# KiCad board Wirebonder.kicad_pcb
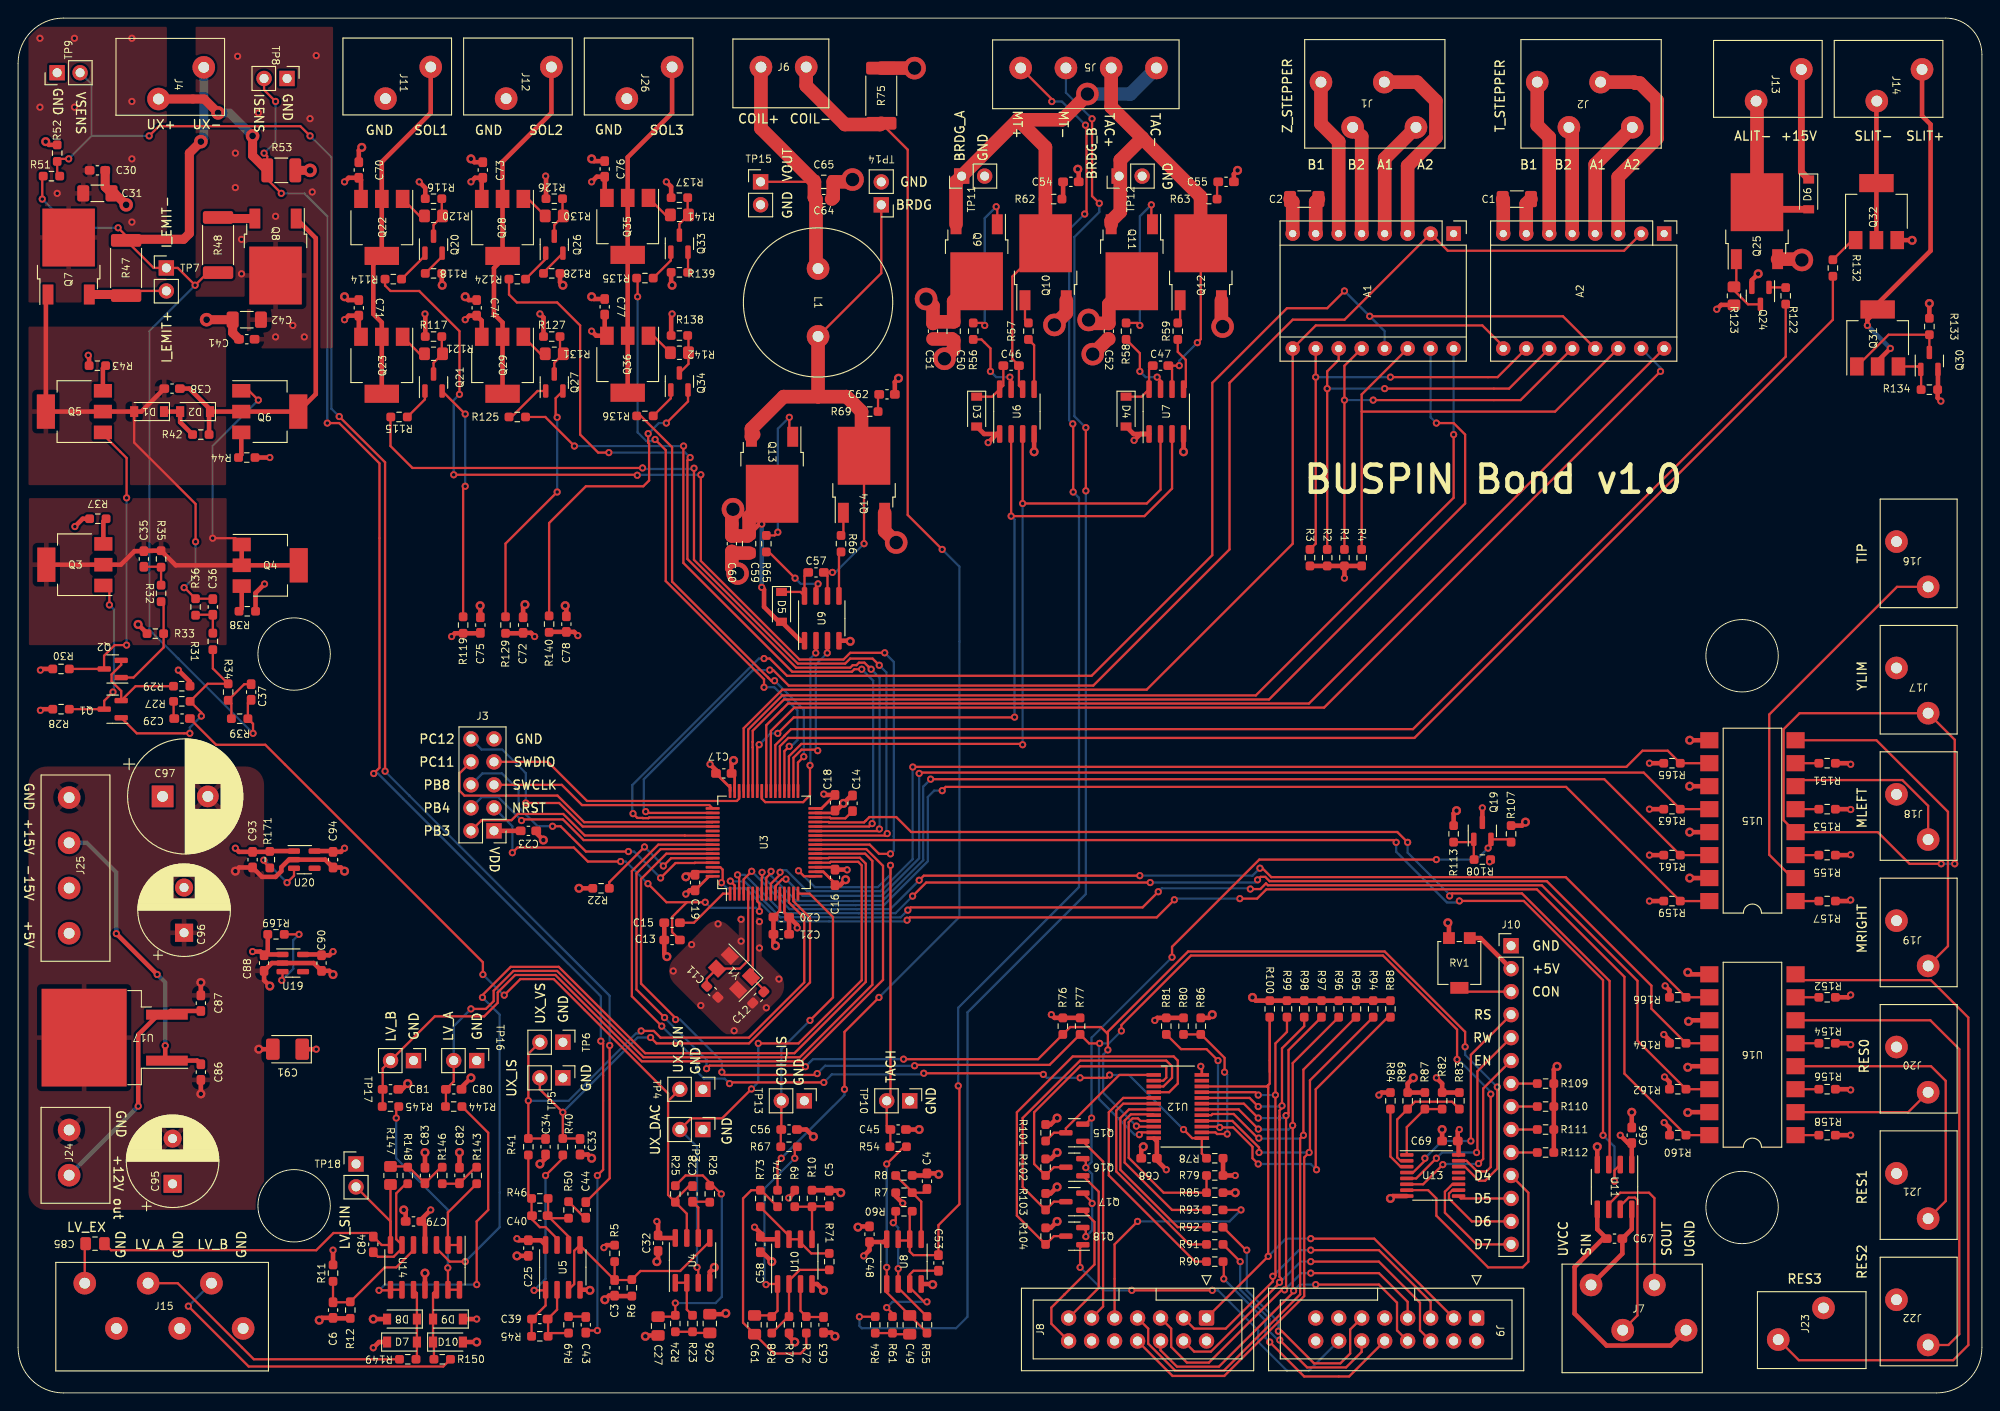
[diagram p0: board, top side]
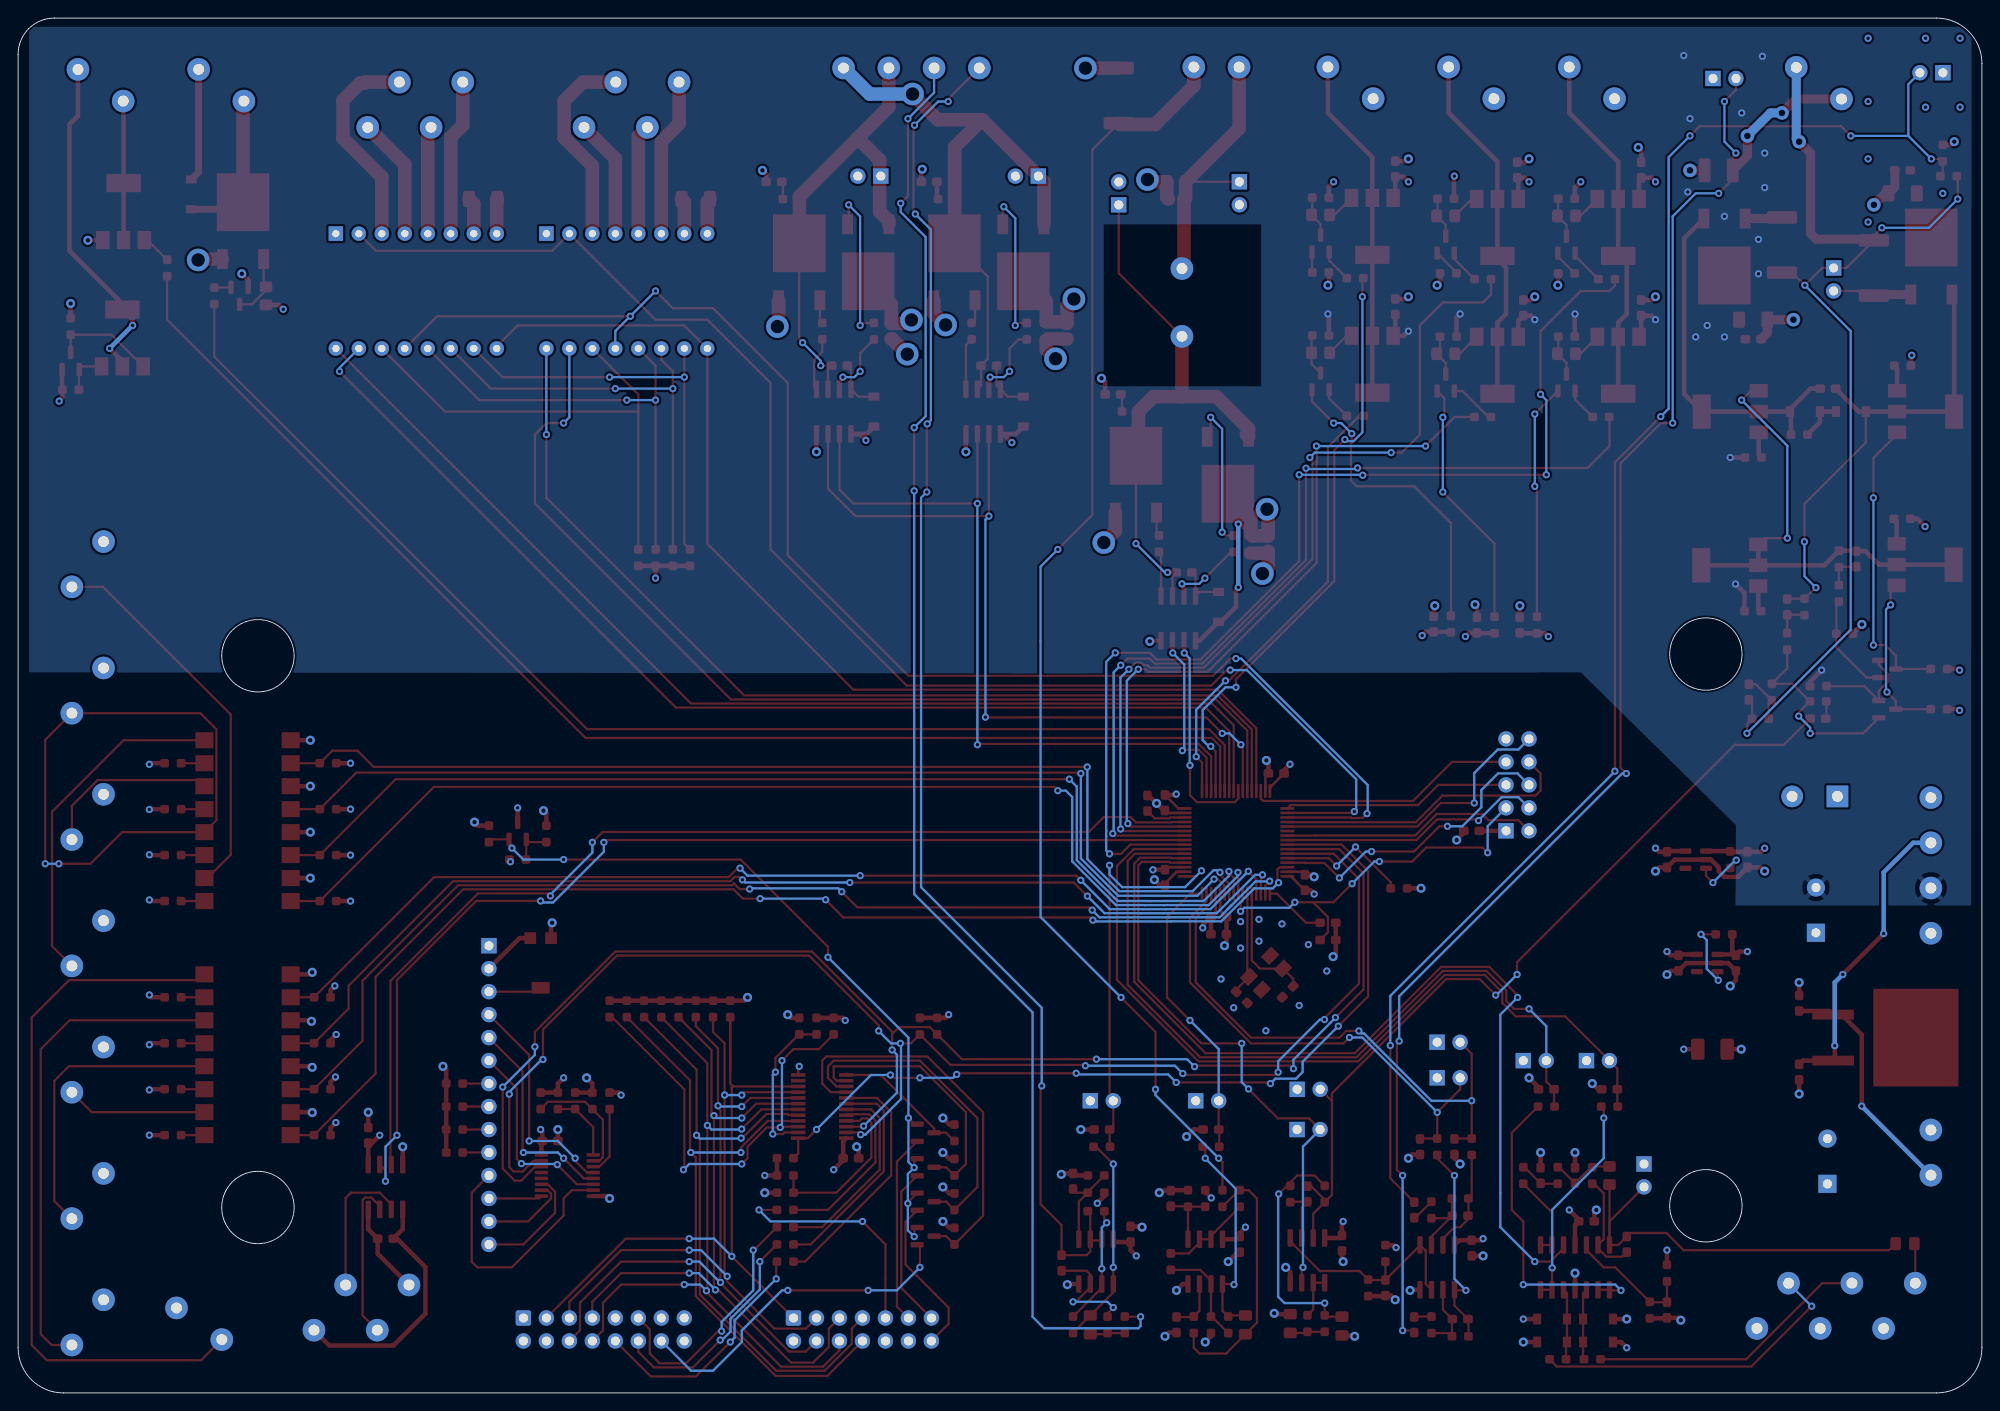
[diagram p1: board, bottom side, seen from below]

Outline 217 x 152 mm; copper layers: Top, In1.Cu (plane), In2.Cu (plane), Bottom. Coordinates in mm from the lower left corner of the outline.
Outline path: circle c30.5,81.69 r4 ; circle c30.5,20.69 r4 ; circle c190.5,81.5 r4 ; circle c190.5,20.5 r4 ; 0,147 arc(1.46,150.54) 5,152 213,152 arc(215.83,150.83) 217,148 217,5 arc(215.54,1.46) 212,0 5,0 arc(1.46,1.46) 0,5 0,147
Stack: Top 0.035mm / dielectric 1.51mm FR4 er 4.5 / In1.Cu 0.035mm / dielectric 1.51mm FR4 er 4.5 / In2.Cu 0.035mm / dielectric 1.51mm FR4 er 4.5 / Bottom 0.035mm

## Placement (name value [footprint] x y rotation side)
A1  Pololu_Breakout_DRV8825  [Pololu_Breakout-16_15.2x20.3mm]  158.62 128.17 270 top
A2  Pololu_Breakout_DRV8825  [Pololu_Breakout-16_15.2x20.3mm]  181.89 128.17 270 top
C1  10u 25V  [C_1206_3216Metric_Pad1.33x1.80mm_HandSolder]  165.61 131.99 180 top
C2  10u 25V  [C_1206_3216Metric_Pad1.33x1.80mm_HandSolder]  142.12 131.99 180 top
C3  1u  [C_0603_1608Metric_Pad1.08x0.95mm_HandSolder]  65.92 11.62 90 top
C4  1u  [C_0603_1608Metric_Pad1.08x0.95mm_HandSolder]  100.43 23.41 270 top
C5  1u  [C_0603_1608Metric_Pad1.08x0.95mm_HandSolder]  89.63 21.5 270 top
C6  1u  [C_0603_1608Metric_Pad1.08x0.95mm_HandSolder]  34.8 9.16 90 top
C11  18p  [C_0603_1608Metric_Pad1.08x0.95mm_HandSolder]  76.71 44.36 135 top
C12  18p  [C_0603_1608Metric_Pad1.08x0.95mm_HandSolder]  81.79 43.72 45 top
C13  100n  [C_0603_1608Metric_Pad1.08x0.95mm_HandSolder]  72.27 50.08 0 top
C14  4.7u  [C_0603_1608Metric_Pad1.08x0.95mm_HandSolder]  92.2 65.19 90 top
C15  1u  [C_0603_1608Metric_Pad1.08x0.95mm_HandSolder]  72.27 51.98 0 top
C16  100n  [C_0603_1608Metric_Pad1.08x0.95mm_HandSolder]  90.27 57 90 top
C17  100n  [C_0603_1608Metric_Pad1.08x0.95mm_HandSolder]  77.98 68.49 180 top
C18  100n  [C_0603_1608Metric_Pad1.08x0.95mm_HandSolder]  90.27 65.25 90 top
C19  100n  [C_0603_1608Metric_Pad1.08x0.95mm_HandSolder]  74.81 56.42 270 top
C20  1u  [C_0603_1608Metric_Pad1.08x0.95mm_HandSolder]  84.33 52.61 180 top
C21  100n  [C_0603_1608Metric_Pad1.08x0.95mm_HandSolder]  84.33 50.71 180 top
C23  100n  [C_0603_1608Metric_Pad1.08x0.95mm_HandSolder]  56.39 62.14 180 top
C25  100n  [C_0603_1608Metric_Pad1.08x0.95mm_HandSolder]  56.38 16.01 90 top
C26  6.8n %5  [C_0805_2012Metric_Pad1.18x1.45mm_HandSolder]  76.43 7.67 90 top
C27  6.8n %5  [C_0805_2012Metric_Pad1.18x1.45mm_HandSolder]  70.72 7.39 270 top
C28  680p %5  [C_0603_1608Metric_Pad1.08x0.95mm_HandSolder]  74.53 22 90 top
C29  1u 25v  [C_0603_1608Metric_Pad1.08x0.95mm_HandSolder]  18.12 74.56 180 top
C30  100n  [C_0603_1608Metric_Pad1.08x0.95mm_HandSolder]  8.77 135.16 0 top
C31  10u 25V  [C_1206_3216Metric_Pad1.33x1.80mm_HandSolder]  8.76 132.62 0 top
C32  100n  [C_0603_1608Metric_Pad1.08x0.95mm_HandSolder]  70.72 16.56 90 top
C33  10n %5 C0G  [C_0603_1608Metric_Pad1.08x0.95mm_HandSolder]  62.09 27.22 90 top
C34  10n %5 C0G  [C_0603_1608Metric_Pad1.08x0.95mm_HandSolder]  58.28 27.22 90 top
C35  12p %5  [C_0603_1608Metric_Pad1.08x0.95mm_HandSolder]  13.9 92.2 90 top
C36  12p %5  [C_0603_1608Metric_Pad1.08x0.95mm_HandSolder]  21.52 86.89 90 top
C37  12p %5  [C_0603_1608Metric_Pad1.08x0.95mm_HandSolder]  25.75 77.49 90 top
C38  100n  [C_0603_1608Metric_Pad1.08x0.95mm_HandSolder]  17.02 111.03 180 top
C39  12p %5  [C_0603_1608Metric_Pad1.08x0.95mm_HandSolder]  57.65 8.16 0 top
C40  12p %5  [C_0603_1608Metric_Pad1.08x0.95mm_HandSolder]  57.65 19.59 0 top
C41  100n  [C_0603_1608Metric_Pad1.08x0.95mm_HandSolder]  25.27 116.5 180 top
C42  10u 25V  [C_1206_3216Metric_Pad1.33x1.80mm_HandSolder]  25.27 118.66 180 top
C43  1u 25v  [C_0603_1608Metric_Pad1.08x0.95mm_HandSolder]  62.73 7.53 270 top
C44  1u 25v  [C_0603_1608Metric_Pad1.08x0.95mm_HandSolder]  62.73 20.23 90 top
C45  100n  [C_0603_1608Metric_Pad1.08x0.95mm_HandSolder]  97.25 29.12 0 top
C46  100n  [C_0603_1608Metric_Pad1.08x0.95mm_HandSolder]  109.73 113.58 0 top
C47  100n  [C_0603_1608Metric_Pad1.08x0.95mm_HandSolder]  126.24 113.58 0 top
C48  100n  [C_0603_1608Metric_Pad1.08x0.95mm_HandSolder]  94.08 17.54 270 top
C49  120n  [C_0805_2012Metric_Pad1.18x1.45mm_HandSolder]  98.52 7.53 270 top
C50  10u 25v  [C_0805_2012Metric_Pad1.18x1.45mm_HandSolder]  103.38 117.38 270 top
C51  100n  [C_0603_1608Metric_Pad1.08x0.95mm_HandSolder]  101.09 117.38 270 top
C52  100n  [C_0603_1608Metric_Pad1.08x0.95mm_HandSolder]  120.53 117.38 270 top
C53  100n  [C_0603_1608Metric_Pad1.08x0.95mm_HandSolder]  101.7 14.37 270 top
C54  1n  [C_0603_1608Metric_Pad1.08x0.95mm_HandSolder]  116.34 133.9 0 top
C55  1n  [C_0603_1608Metric_Pad1.08x0.95mm_HandSolder]  133.48 133.9 0 top
C56  100n  [C_0603_1608Metric_Pad1.08x0.95mm_HandSolder]  85.19 29.12 0 top
C57  100n  [C_0603_1608Metric_Pad1.08x0.95mm_HandSolder]  88.17 90.72 0 top
C58  100n  [C_0603_1608Metric_Pad1.08x0.95mm_HandSolder]  82.01 16.42 90 top
C59  10u 25v  [C_0805_2012Metric_Pad1.18x1.45mm_HandSolder]  80.78 93.89 270 top
C60  100n  [C_0603_1608Metric_Pad1.08x0.95mm_HandSolder]  78.87 93.89 270 top
C61  12n %5  [C_0805_2012Metric_Pad1.18x1.45mm_HandSolder]  81.38 7.53 270 top
C62  1n  [C_0603_1608Metric_Pad1.08x0.95mm_HandSolder]  96.01 110.4 0 top
C63  10n %5  [C_0603_1608Metric_Pad1.08x0.95mm_HandSolder]  89 7.53 90 top
C64  100n  [C_0603_1608Metric_Pad1.08x0.95mm_HandSolder]  89.03 131.99 0 top
C65  10u 25v  [C_0805_2012Metric_Pad1.18x1.45mm_HandSolder]  89.03 133.9 0 top
C66  100n  [C_0603_1608Metric_Pad1.08x0.95mm_HandSolder]  178.31 28.49 90 top
C67  100n  [C_0603_1608Metric_Pad1.08x0.95mm_HandSolder]  176.41 17.06 0 top
C68  100n  [C_0603_1608Metric_Pad1.08x0.95mm_HandSolder]  124.97 25.94 180 top
C69  100n  [C_0603_1608Metric_Pad1.08x0.95mm_HandSolder]  158.22 27.85 0 top
C70  100n  [C_0603_1608Metric_Pad1.08x0.95mm_HandSolder]  37.65 135.2 90 top
C71  100n  [C_0603_1608Metric_Pad1.08x0.95mm_HandSolder]  37.65 119.97 270 top
C72  100n  [C_0603_1608Metric_Pad1.08x0.95mm_HandSolder]  55.81 84.9 90 top
C73  100n  [C_0603_1608Metric_Pad1.08x0.95mm_HandSolder]  51.35 135.2 90 top
C74  100n  [C_0603_1608Metric_Pad1.08x0.95mm_HandSolder]  50.67 119.97 270 top
C75  100n  [C_0603_1608Metric_Pad1.08x0.95mm_HandSolder]  51.08 84.9 90 top
C76  100n  [C_0603_1608Metric_Pad1.08x0.95mm_HandSolder]  64.82 135.32 90 top
C77  100n  [C_0603_1608Metric_Pad1.08x0.95mm_HandSolder]  64.82 120.08 270 top
C78  100n  [C_0603_1608Metric_Pad1.08x0.95mm_HandSolder]  60.58 85 90 top
C79  100n  [C_0603_1608Metric_Pad1.08x0.95mm_HandSolder]  43.69 18.96 180 top
C80  100n  [C_0603_1608Metric_Pad1.08x0.95mm_HandSolder]  48.14 33.56 0 top
C81  100n  [C_0603_1608Metric_Pad1.08x0.95mm_HandSolder]  41.15 33.56 0 top
C82  22n %5  [C_0603_1608Metric_Pad1.08x0.95mm_HandSolder]  48.77 24.04 90 top
C83  68n %5  [C_0603_1608Metric_Pad1.08x0.95mm_HandSolder]  44.96 24.04 90 top
C84  10n %5  [C_0603_1608Metric_Pad1.08x0.95mm_HandSolder]  39.25 16.42 90 top
C85  10u 25v  [C_0805_2012Metric_Pad1.18x1.45mm_HandSolder]  8.5 16.5 180 top
C86  1u  [C_0603_1608Metric_Pad1.08x0.95mm_HandSolder]  20.2 35.47 90 top
C87  100n  [C_0603_1608Metric_Pad1.08x0.95mm_HandSolder]  20.2 43.09 90 top
C88  1u  [C_0603_1608Metric_Pad1.08x0.95mm_HandSolder]  27.18 47.53 90 top
C90  1u  [C_0603_1608Metric_Pad1.08x0.95mm_HandSolder]  33.53 47.53 90 top
C91  4.7u Tantalum  [CP_EIA-3528-21_Kemet-B_Pad1.50x2.35mm_HandSolder]  29.77 38 180 top
C93  1u  [C_0603_1608Metric_Pad1.08x0.95mm_HandSolder]  25.91 58.95 90 top
C94  1u  [C_0603_1608Metric_Pad1.08x0.95mm_HandSolder]  34.8 58.95 90 top
C95  1000u 16v  [CP_Radial_D10.0mm_P5.00mm]  17.07 23.11 90 top
C96  1000u 25v  [CP_Radial_D10.0mm_P5.00mm]  18.34 50.87 90 top
C97  2200u 25v  [CP_Radial_D12.5mm_P5.00mm]  15.97 65.95 0 top
D1  1N4148  [D_SOD-123]  14.48 108.5 180 top
D2  1N4148  [D_SOD-123]  19.55 108.5 180 top
D3  1N4148W  [D_SOD-123]  105.92 108.5 270 top
D4  1N4148W  [D_SOD-123]  122.43 108.5 270 top
D5  1N4148W  [D_SOD-123]  84.36 86.91 270 top
D6  1N4148  [D_SOD-123]  197.86 132.51 270 top
D7  1N4148  [D_SOD-123]  42.42 5.62 0 top
D8  1N4148  [D_SOD-123]  42.42 8.16 180 top
D9  1N4148  [D_SOD-123]  47.5 8.16 180 top
D10  1N4148  [D_SOD-123]  47.5 5.62 0 top
J1  -  [DG250-3-5-04P-11-00AH]  149.22 142.42 180 top
J2  -  [DG250-3-5-04P-11-00AH]  173.12 142.42 180 top
J3  Conn_02x05_Odd_Even  [PinHeader_2x05_P2.54mm_Vertical]  52.58 62.14 180 top
J4  -  [DG250-3-5-02P-11-00AH]  17.52 144.81 270 top
J5  DG301-5-0-04P-12-00AH  [DG301-5.0-04P-12-00AH]  117.99 146.59 180 top
J6  DG301-5-0-02P-12-00AH  [DG301-5.0-02P-12-00AH]  84.58 146.59 0 top
J7  -  [DG250-3-5-04P-11-00AH]  179.06 9.44 0 top
J8  Conn_02x07_Odd_Even  [IDC-Header_2x07_P2.54mm_Vertical]  131.32 8.28 270 top
J9  Conn_02x08_Odd_Even  [IDC-Header_2x08_P2.54mm_Vertical]  161.16 8.28 270 top
J10  DS1021-1X14SF11-B  [PinHeader_1x14_P2.54mm_Vertical]  164.97 49.44 0 top
J11  -  [DG250-3-5-02P-11-00AH]  42.59 144.84 270 top
J12  -  [DG250-3-5-02P-11-00AH]  55.93 144.84 270 top
J13  -  [DG250-3-5-02P-11-00AH]  194.05 144.57 270 top
J14  -  [DG250-3-5-02P-11-00AH]  207.38 144.57 270 top
J15  -  [DG250-3-5-06P-11-00AH]  16.12 9.63 0 top
J16  -  [DG250-3-5-02P-11-00AH]  209.31 92.12 180 top
J17  -  [DG250-3-5-02P-11-00AH]  209.31 78.15 180 top
J18  -  [DG250-3-5-02P-11-00AH]  209.31 64.18 180 top
J19  -  [DG250-3-5-02P-11-00AH]  209.31 50.21 180 top
J20  -  [DG250-3-5-02P-11-00AH]  209.31 36.24 180 top
J21  -  [DG250-3-5-02P-11-00AH]  209.31 22.27 180 top
J22  -  [DG250-3-5-02P-11-00AH]  209.31 8.3 180 top
J23  -  [DG250-3-5-02P-11-00AH]  197.5 7.65 90 top
J24  DG301-5-0-02P-12-00AH  [DG301-5.0-02P-12-00AH]  5.64 26.57 90 top
J25  DG301-5-0-04P-12-00AH  [DG301-5.0-04P-12-00AH#2]  5.64 58.32 90 top
J26  -  [DG250-3-5-02P-11-00AH]  69.27 144.84 270 top
L1  -  [RC1415U-101K]  88.39 120.56 270 top
Q1  BC817-40  [SOT-23]  10.45 75.59 180 top
Q2  BC817-40  [SOT-23]  10.45 80.04 180 top
Q3  BCP53-16  [SOT-223]  6.27 91.57 180 top
Q4  BCP56-16  [SOT-223]  27.86 91.5 0 top
Q5  BCP53-16  [SOT-223]  6.22 108.5 180 top
Q6  BCP56-16  [SOT-223]  27.81 108.5 0 top
Q7  MJD45H11T4G  [TO-252-2]  5.59 125.64 90 top
Q8  MJD44H11T4G  [TO-252-2]  28.45 125.64 270 top
Q9  P25B6EB  [TO-252-2]  105.92 125 270 top
Q10  P25B6EB  [TO-252-2]  113.54 125 90 top
Q11  P25B6EB  [TO-252-2]  123.06 125 270 top
Q12  P25B6EB  [TO-252-2]  130.69 125 90 top
Q13  P25B6EB  [TO-252-2]  83.31 101.51 270 top
Q14  P25B6EB  [TO-252-2]  93.47 101.51 90 top
Q15  BC807-40  [SOT-23]  116.72 28.76 180 top
Q16  BC807-40  [SOT-23]  116.72 24.95 180 top
Q17  BC807-40  [SOT-23]  116.72 21.14 180 top
Q18  BC807-40  [SOT-23]  116.72 17.33 180 top
Q19  BC817-40  [SOT-23]  161.8 62.14 90 top
Q20  BC817-40  [SOT-23]  45.91 126.95 90 top
Q21  BC807-40  [SOT-23]  45.91 111.71 90 top
Q22  BCP53-16  [SOT-223]  40.19 128.85 270 top
Q23  BCP56-16  [SOT-223]  40.19 113.62 270 top
Q24  BC817-40  [SOT-23]  192.53 121.29 270 top
Q25  FDD3860  [TO-252-2]  192.15 129.55 90 top
Q26  BC817-40  [SOT-23]  59.25 126.95 90 top
Q27  BC807-40  [SOT-23]  59.25 111.71 90 top
Q28  BCP53-16  [SOT-223]  53.53 128.85 270 top
Q29  BCP56-16  [SOT-223]  53.53 113.62 270 top
Q30  BC807-40  [SOT-23]  211.19 114.09 90 top
Q31  BCP53-16  [SOT-223]  205.48 116.63 90 top
Q32  BCP56-16  [SOT-223]  205.34 130.6 90 top
Q33  BC817-40  [SOT-23]  73.08 127.06 90 top
Q34  BC807-40  [SOT-23]  73.08 111.83 90 top
Q35  BCP53-16  [SOT-223]  67.36 128.97 270 top
Q36  BCP56-16  [SOT-223]  67.36 113.73 270 top
R1  10k  [R_0603_1608Metric_Pad0.98x0.95mm_HandSolder]  146.56 92.34 270 top
R2  10k  [R_0603_1608Metric_Pad0.98x0.95mm_HandSolder]  144.66 92.34 270 top
R3  10k  [R_0603_1608Metric_Pad0.98x0.95mm_HandSolder]  142.75 92.34 270 top
R4  10k  [R_0603_1608Metric_Pad0.98x0.95mm_HandSolder]  148.47 92.34 270 top
R5  10k %1  [R_0603_1608Metric_Pad0.98x0.95mm_HandSolder]  65.92 15.43 270 top
R6  10k %1  [R_0603_1608Metric_Pad0.98x0.95mm_HandSolder]  67.82 11.62 270 top
R7  10k %1  [R_0603_1608Metric_Pad0.98x0.95mm_HandSolder]  97.89 22.13 0 top
R8  10k %1  [R_0603_1608Metric_Pad0.98x0.95mm_HandSolder]  97.89 24.04 0 top
R9  10k %1  [R_0603_1608Metric_Pad0.98x0.95mm_HandSolder]  85.82 21.5 270 top
R10  10k %1  [R_0603_1608Metric_Pad0.98x0.95mm_HandSolder]  87.73 21.5 90 top
R11  10k %1  [R_0603_1608Metric_Pad0.98x0.95mm_HandSolder]  34.8 13.25 270 top
R12  10k %1  [R_0603_1608Metric_Pad0.98x0.95mm_HandSolder]  36.7 9.16 270 top
R22  10k  [R_0603_1608Metric_Pad0.98x0.95mm_HandSolder]  64.41 55.79 180 top
R23  536R %1  [R_0603_1608Metric_Pad0.98x0.95mm_HandSolder]  74.53 7.67 270 top
R24  887R %1  [R_0603_1608Metric_Pad0.98x0.95mm_HandSolder]  72.62 7.67 90 top
R25  1430R %1  [R_0603_1608Metric_Pad0.98x0.95mm_HandSolder]  72.62 22 270 top
R26  536R %1  [R_0603_1608Metric_Pad0.98x0.95mm_HandSolder]  76.43 22 270 top
R27  680R %1  [R_0603_1608Metric_Pad0.98x0.95mm_HandSolder]  18.09 76.46 180 top
R28  470R %1  [R_0603_1608Metric_Pad0.98x0.95mm_HandSolder]  4.74 75.59 180 top
R29  3.3k %1  [R_0603_1608Metric_Pad0.98x0.95mm_HandSolder]  18.08 78.14 180 top
R30  470R %1  [R_0603_1608Metric_Pad0.98x0.95mm_HandSolder]  4.74 80.04 180 top
R31  0R  [R_0603_1608Metric_Pad0.98x0.95mm_HandSolder]  21.52 83.08 270 top
R32  0R  [R_0603_1608Metric_Pad0.98x0.95mm_HandSolder]  15.8 88.39 270 top
R33  680R %1  [R_0603_1608Metric_Pad0.98x0.95mm_HandSolder]  15.16 83.95 0 top
R34  0R  [R_0603_1608Metric_Pad0.98x0.95mm_HandSolder]  23.21 77.49 270 top
R35  1M  [R_0603_1608Metric_Pad0.98x0.95mm_HandSolder]  15.8 92.2 270 top
R36  1M  [R_0603_1608Metric_Pad0.98x0.95mm_HandSolder]  19.61 86.89 90 top
R37  47R %1  [R_0603_1608Metric_Pad0.98x0.95mm_HandSolder]  8.81 96.65 180 top
R38  47R %1  [R_0603_1608Metric_Pad0.98x0.95mm_HandSolder]  25.33 86.42 180 top
R39  8.2k %1  [R_0603_1608Metric_Pad0.98x0.95mm_HandSolder]  24.48 74.54 180 top
R40  56R %1  [R_0603_1608Metric_Pad0.98x0.95mm_HandSolder]  60.19 27.22 270 top
R41  56R %1  [R_0603_1608Metric_Pad0.98x0.95mm_HandSolder]  56.38 27.22 270 top
R42  0R  [R_0603_1608Metric_Pad0.98x0.95mm_HandSolder]  20.19 105.95 0 top
R43  47R %1  [R_0603_1608Metric_Pad0.98x0.95mm_HandSolder]  8.76 113.58 180 top
R44  47R %1  [R_0603_1608Metric_Pad0.98x0.95mm_HandSolder]  25.27 103.41 180 top
R45  8.2k %1  [R_0603_1608Metric_Pad0.98x0.95mm_HandSolder]  57.65 6.26 180 top
R46  8.2k %1  [R_0603_1608Metric_Pad0.98x0.95mm_HandSolder]  57.65 21.5 0 top
R47  0.33R  [R_2512_6332Metric_Pad1.40x3.35mm_HandSolder]  11.94 124.37 90 top
R48  0.33R  [R_2512_6332Metric_Pad1.40x3.35mm_HandSolder]  22.09 126.91 90 top
R49  2.2k %1  [R_0603_1608Metric_Pad0.98x0.95mm_HandSolder]  60.83 7.53 90 top
R50  2.15k %1  [R_0603_1608Metric_Pad0.98x0.95mm_HandSolder]  60.83 20.23 90 top
R51  2.2k %1  [R_0603_1608Metric_Pad0.98x0.95mm_HandSolder]  3.69 134.53 0 top
R52  61.9R %1  [R_0603_1608Metric_Pad0.98x0.95mm_HandSolder]  4.32 137.07 90 top
R53  1R 1/3W %1  [R_1210_3225Metric_Pad1.30x2.65mm_HandSolder]  29.08 135.16 0 top
R54  56R  [R_0603_1608Metric_Pad0.98x0.95mm_HandSolder]  97.25 27.22 0 top
R55  4.99k %1  [R_0603_1608Metric_Pad0.98x0.95mm_HandSolder]  100.43 7.53 270 top
R56  8.2R  [R_0603_1608Metric_Pad0.98x0.95mm_HandSolder]  105.54 117.38 90 top
R57  8.2R  [R_0603_1608Metric_Pad0.98x0.95mm_HandSolder]  111.63 117.38 90 top
R58  8.2R  [R_0603_1608Metric_Pad0.98x0.95mm_HandSolder]  122.43 117.38 90 top
R59  8.2R  [R_0603_1608Metric_Pad0.98x0.95mm_HandSolder]  128.15 117.38 90 top
R60  2.49k %1  [R_0603_1608Metric_Pad0.98x0.95mm_HandSolder]  97.89 20.08 180 top
R61  31.6k %1  [R_0603_1608Metric_Pad0.98x0.95mm_HandSolder]  96.62 7.53 270 top
R62  47R  [R_0603_1608Metric_Pad0.98x0.95mm_HandSolder]  114.43 131.99 0 top
R63  47R  [R_0603_1608Metric_Pad0.98x0.95mm_HandSolder]  131.57 131.99 0 top
R64  6.65k %1  [R_0603_1608Metric_Pad0.98x0.95mm_HandSolder]  94.71 7.53 90 top
R65  8.2R  [R_0603_1608Metric_Pad0.98x0.95mm_HandSolder]  82.68 93.89 270 top
R66  8.2R  [R_0603_1608Metric_Pad0.98x0.95mm_HandSolder]  90.94 93.89 270 top
R67  56R %1  [R_0603_1608Metric_Pad0.98x0.95mm_HandSolder]  85.19 27.22 0 top
R68  33.2k %1  [R_0603_1608Metric_Pad0.98x0.95mm_HandSolder]  83.28 7.53 90 top
R69  47R  [R_0603_1608Metric_Pad0.98x0.95mm_HandSolder]  94.11 108.5 0 top
R70  4.87k %1  [R_0603_1608Metric_Pad0.98x0.95mm_HandSolder]  85.19 7.53 270 top
R71  14.3k %1  [R_0603_1608Metric_Pad0.98x0.95mm_HandSolder]  89.63 14.51 270 top
R72  57.6k %1  [R_0603_1608Metric_Pad0.98x0.95mm_HandSolder]  87.09 7.53 270 top
R73  14.3k %1  [R_0603_1608Metric_Pad0.98x0.95mm_HandSolder]  82.01 21.5 90 top
R74  4.87k %1  [R_0603_1608Metric_Pad0.98x0.95mm_HandSolder]  83.92 21.5 90 top
R75  100mohm %1 2.5W  [R_2512_6332Metric_Pad1.40x3.35mm_HandSolder]  95.38 143.42 90 top
R76  2.2k  [R_0603_1608Metric_Pad0.98x0.95mm_HandSolder]  115.44 40.55 90 top
R77  2.2k  [R_0603_1608Metric_Pad0.98x0.95mm_HandSolder]  117.35 40.55 90 top
R78  10k  [R_0603_1608Metric_Pad0.98x0.95mm_HandSolder]  132.23 25.94 180 top
R79  0R  [R_0603_1608Metric_Pad0.98x0.95mm_HandSolder]  132.23 24.04 0 top
R80  0R  [R_0603_1608Metric_Pad0.98x0.95mm_HandSolder]  128.78 40.55 90 top
R81  0R  [R_0603_1608Metric_Pad0.98x0.95mm_HandSolder]  126.88 40.55 90 top
R82  0R  [R_0603_1608Metric_Pad0.98x0.95mm_HandSolder]  157.35 32.29 90 top
R83  0R  [R_0603_1608Metric_Pad0.98x0.95mm_HandSolder]  159.26 32.29 90 top
R84  10k  [R_0603_1608Metric_Pad0.98x0.95mm_HandSolder]  151.64 32.29 270 top
R85  10k  [R_0603_1608Metric_Pad0.98x0.95mm_HandSolder]  132.23 22.13 0 top
R86  10k  [R_0603_1608Metric_Pad0.98x0.95mm_HandSolder]  130.69 40.55 90 top
R87  10k  [R_0603_1608Metric_Pad0.98x0.95mm_HandSolder]  155.45 32.29 90 top
R88  10k  [R_0603_1608Metric_Pad0.98x0.95mm_HandSolder]  151.64 42.45 90 top
R89  10k  [R_0603_1608Metric_Pad0.98x0.95mm_HandSolder]  153.54 32.29 90 top
R90  470R  [R_0603_1608Metric_Pad0.98x0.95mm_HandSolder]  132.23 14.51 0 top
R91  470R  [R_0603_1608Metric_Pad0.98x0.95mm_HandSolder]  132.23 16.42 0 top
R92  470R  [R_0603_1608Metric_Pad0.98x0.95mm_HandSolder]  132.23 18.32 0 top
R93  470R  [R_0603_1608Metric_Pad0.98x0.95mm_HandSolder]  132.23 20.23 0 top
R94  10k  [R_0603_1608Metric_Pad0.98x0.95mm_HandSolder]  149.74 42.45 270 top
R95  10k  [R_0603_1608Metric_Pad0.98x0.95mm_HandSolder]  147.83 42.45 270 top
R96  10k  [R_0603_1608Metric_Pad0.98x0.95mm_HandSolder]  145.93 42.45 270 top
R97  10k  [R_0603_1608Metric_Pad0.98x0.95mm_HandSolder]  144.02 42.45 270 top
R98  10k  [R_0603_1608Metric_Pad0.98x0.95mm_HandSolder]  142.12 42.45 270 top
R99  10k  [R_0603_1608Metric_Pad0.98x0.95mm_HandSolder]  140.21 42.45 270 top
R100  10k  [R_0603_1608Metric_Pad0.98x0.95mm_HandSolder]  138.31 42.45 270 top
R101  10k  [R_0603_1608Metric_Pad0.98x0.95mm_HandSolder]  113.54 28.76 270 top
R102  10k  [R_0603_1608Metric_Pad0.98x0.95mm_HandSolder]  113.54 24.95 270 top
R103  10k  [R_0603_1608Metric_Pad0.98x0.95mm_HandSolder]  113.54 21.14 270 top
R104  10k  [R_0603_1608Metric_Pad0.98x0.95mm_HandSolder]  113.54 17.33 270 top
R107  10k  [R_0603_1608Metric_Pad0.98x0.95mm_HandSolder]  164.97 61.81 90 top
R108  1k  [R_0603_1608Metric_Pad0.98x0.95mm_HandSolder]  161.8 58.97 180 top
R109  10k  [R_0603_1608Metric_Pad0.98x0.95mm_HandSolder]  168.78 34.2 0 top
R110  10k  [R_0603_1608Metric_Pad0.98x0.95mm_HandSolder]  168.78 31.66 0 top
R111  10k  [R_0603_1608Metric_Pad0.98x0.95mm_HandSolder]  168.78 29.12 0 top
R112  10k  [R_0603_1608Metric_Pad0.98x0.95mm_HandSolder]  168.78 26.58 0 top
R113  4.7k  [R_0603_1608Metric_Pad0.98x0.95mm_HandSolder]  158.62 61.81 90 top
R114  1k  [R_0603_1608Metric_Pad0.98x0.95mm_HandSolder]  41.46 123.14 180 top